# KiCad board panel-74pad-70pin-mezzanine.kicad_pcb (continued)
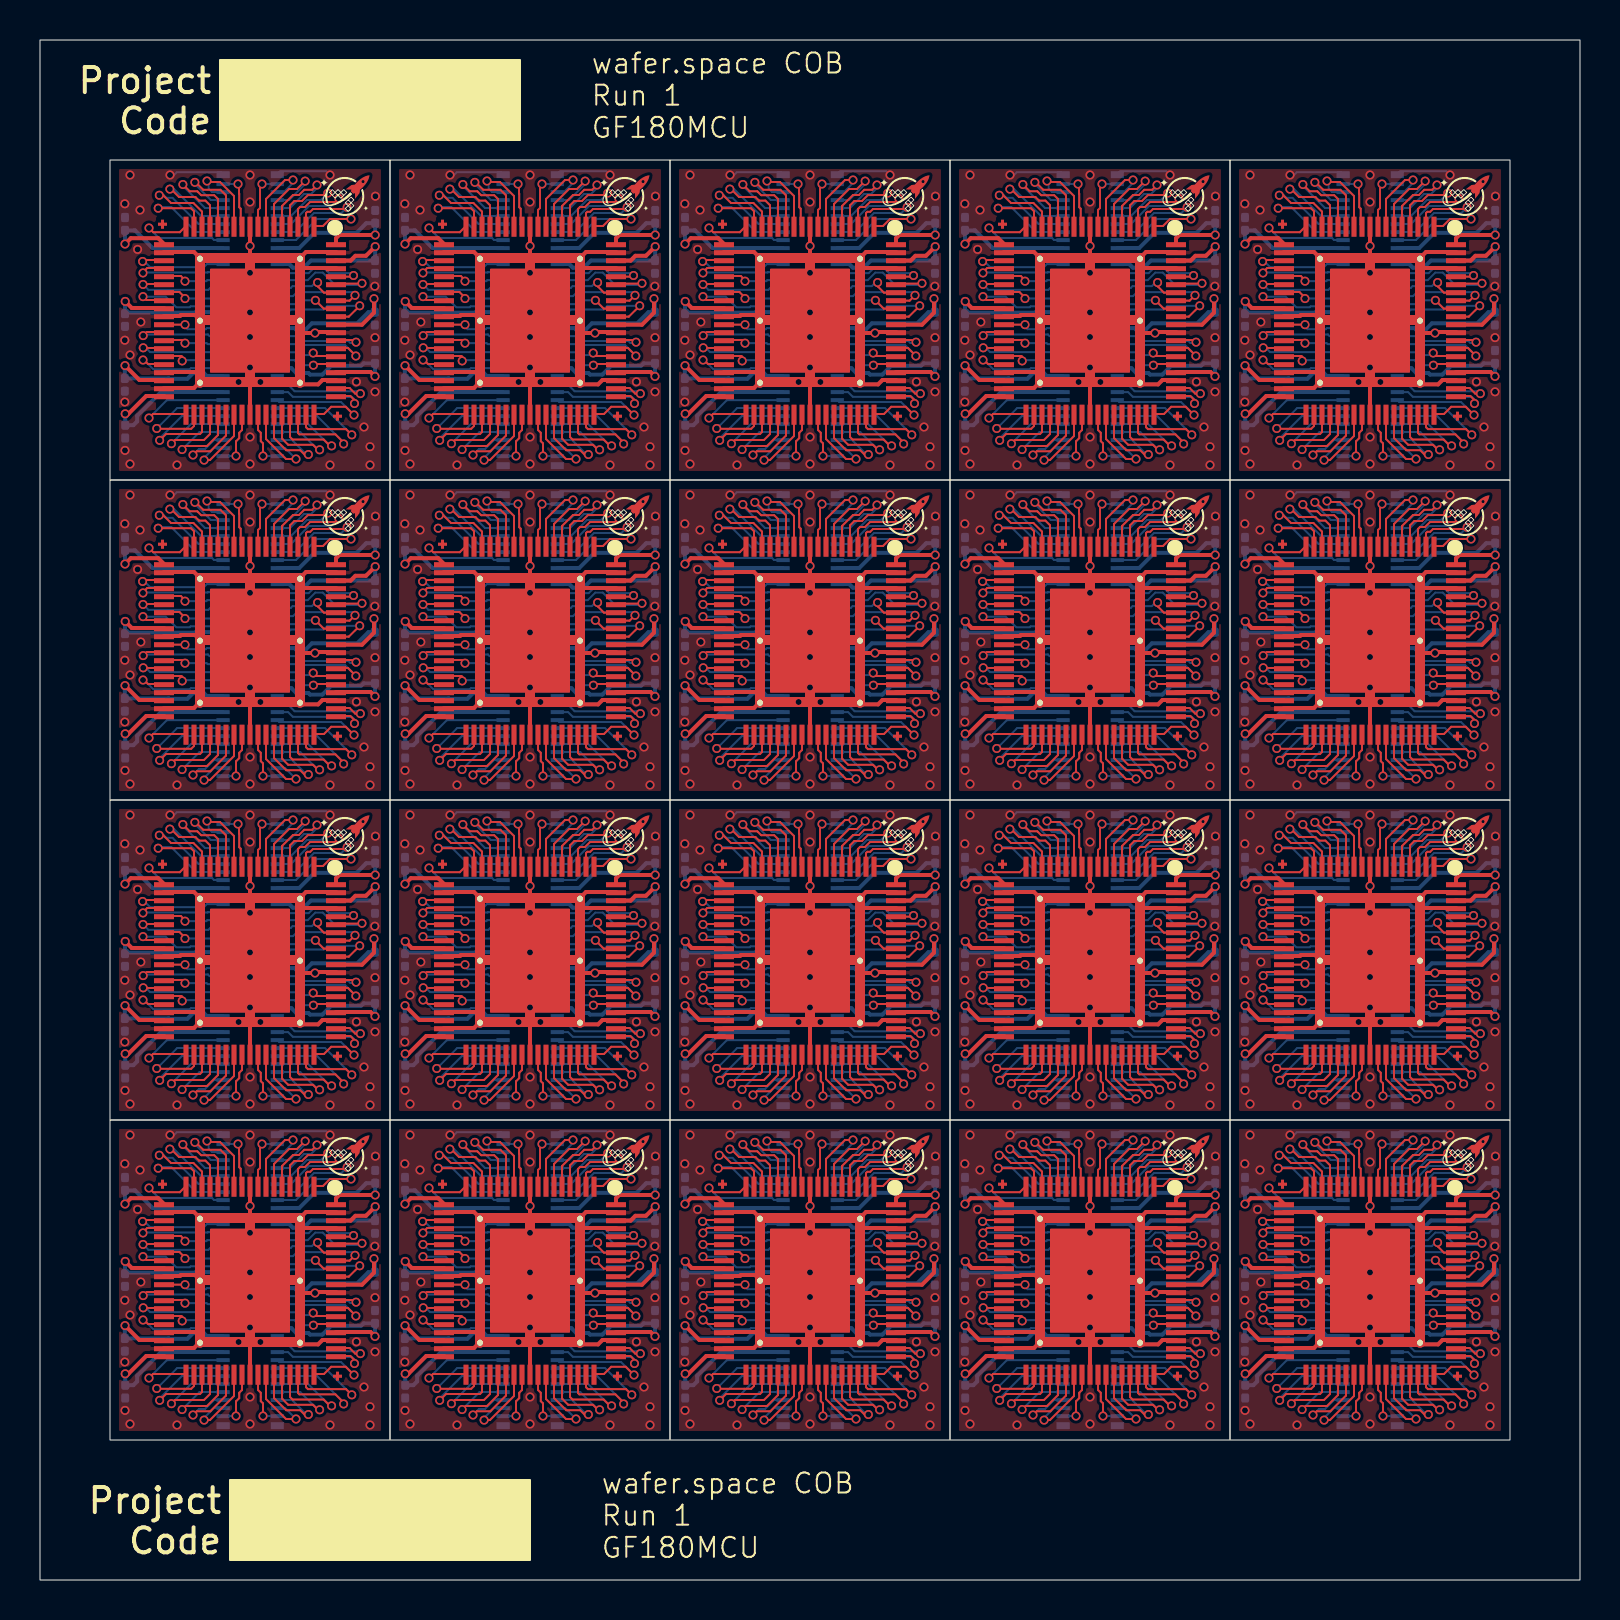
[diagram p0: board, top side]
## Routing (per net, layer and track width the routed paths; a pad name or vN(x,y) marks a point on that pad's centre or on a via; arc(x,y) is an arc through that point) (continued)
PWR_AUX_1: length 176.2
  Top w0.2: v1(16.7,64.06) 16.7,63.37 16.1,62.77 U102.64 ; v1(44.7,48.06) 44.7,47.36 44.1,46.77 U116.64 ; U138.64 58.1,14.77 58.7,15.36 v1(58.7,16.06) ; v1(58.7,48.06) 58.7,47.36 58.1,46.77 U118.64 ; U104.64 30.1,62.77 30.7,63.37 v1(30.7,64.06) ; U134.64 30.1,14.77 30.7,15.36 v1(30.7,16.06) ; v1(72.7,32.06) 72.7,31.36 72.1,30.77 U130.64 ; U106.64 44.1,62.77 44.7,63.37 v1(44.7,64.06) ; v1(44.7,32.06) 44.7,31.36 44.1,30.77 U126.64 ; v1(16.7,16.06) 16.7,15.36 16.1,14.77 U132.64 ; U124.64 30.1,30.77 30.7,31.36 v1(30.7,32.06) ; U140.64 72.1,14.77 72.7,15.36 v1(72.7,16.06) ; v1(72.7,64.06) 72.7,63.37 72.1,62.77 U110.64 ; U114.64 30.1,46.77 30.7,47.36 v1(30.7,48.06) ; v1(58.7,32.06) 58.7,31.36 58.1,30.77 U128.64 ; v1(58.7,64.06) 58.7,63.37 58.1,62.77 U108.64 ; U136.64 44.1,14.77 44.7,15.36 v1(44.7,16.06) ; U122.64 16.1,30.77 16.7,31.36 v1(16.7,32.06) ; U112.64 16.1,46.77 16.7,47.36 v1(16.7,48.06) ; U120.64 72.1,46.77 72.7,47.36 v1(72.7,48.06)
  Bottom w0.2: v1(30.7,32.06) 30.74,32.03 C194.1 30.42,31.39 29.86,30.83 27.6,30.83 27.28,30.51 26.81,30.51 26.73,30.59 U123.19 ; U103.19 26.73,62.59 26.81,62.51 27.28,62.51 27.6,62.83 29.86,62.83 30.42,63.39 C114.1 30.74,64.03 v1(30.7,64.06) ; U127.19 54.73,30.59 54.81,30.51 55.28,30.51 55.6,30.83 57.86,30.83 58.42,31.39 C210.1 58.74,32.03 v1(58.7,32.06) ; U137.19 54.73,14.59 54.81,14.51 55.28,14.51 55.6,14.83 57.86,14.83 58.42,15.39 C250.1 58.74,16.03 v1(58.7,16.06) ; v1(44.7,16.06) 44.74,16.03 C242.1 44.42,15.39 43.86,14.83 41.6,14.83 41.28,14.51 40.81,14.51 40.73,14.59 U135.19 ; v1(16.7,16.06) 16.74,16.03 C226.1 16.42,15.39 15.86,14.83 13.6,14.83 13.28,14.51 12.81,14.51 12.73,14.59 U131.19 ; U129.19 68.73,30.59 68.81,30.51 69.28,30.51 69.6,30.83 71.86,30.83 72.42,31.39 C218.1 72.74,32.03 v1(72.7,32.06) ; v1(58.7,64.06) 58.74,64.03 C130.1 58.42,63.39 57.86,62.83 55.6,62.83 55.28,62.51 54.81,62.51 54.73,62.59 U107.19 ; U115.19 40.73,46.59 40.81,46.51 41.28,46.51 41.6,46.83 43.86,46.83 44.42,47.39 C162.1 44.74,48.03 v1(44.7,48.06) ; U101.19 12.73,62.59 12.81,62.51 13.28,62.51 13.6,62.83 15.86,62.83 16.42,63.39 C106.1 16.74,64.03 v1(16.7,64.06) ; U105.19 40.73,62.59 40.81,62.51 41.28,62.51 41.6,62.83 43.86,62.83 44.42,63.39 C122.1 44.74,64.03 v1(44.7,64.06) ; U133.19 26.73,14.59 26.81,14.51 27.28,14.51 27.6,14.83 29.86,14.83 30.42,15.39 C234.1 30.74,16.03 v1(30.7,16.06) ; U117.19 54.73,46.59 54.81,46.51 55.28,46.51 55.6,46.83 57.86,46.83 58.42,47.39 C170.1 58.74,48.03 v1(58.7,48.06) ; v1(72.7,64.06) 72.74,64.03 C138.1 72.42,63.39 71.86,62.83 69.6,62.83 69.28,62.51 68.81,62.51 68.73,62.59 U109.19 ; U119.19 68.73,46.59 68.81,46.51 69.28,46.51 69.6,46.83 71.86,46.83 72.42,47.39 C178.1 72.74,48.03 v1(72.7,48.06) ; v1(44.7,32.06) 44.74,32.03 C202.1 44.42,31.39 43.86,30.83 41.6,30.83 41.28,30.51 40.81,30.51 40.73,30.59 U125.19 ; v1(72.7,16.06) 72.74,16.03 C258.1 72.42,15.39 71.86,14.83 69.6,14.83 69.28,14.51 68.81,14.51 68.73,14.59 U139.19 ; v1(16.7,32.06) 16.74,32.03 C186.1 16.42,31.39 15.86,30.83 13.6,30.83 13.28,30.51 12.81,30.51 12.73,30.59 U121.19 ; v1(30.7,48.06) 30.74,48.03 C154.1 30.42,47.39 29.86,46.83 27.6,46.83 27.28,46.51 26.81,46.51 26.73,46.59 U113.19 ; v1(16.7,48.06) 16.74,48.03 C146.1 16.42,47.39 15.86,46.83 13.6,46.83 13.28,46.51 12.81,46.51 12.73,46.59 U111.19

## Copper pours and planes (outline as drawn; the poured copper is in the pictures)
GND on Top, Bottom, In1.Cu, In2.Cu: 45.5,55 59.5,55 59.5,39 45.5,39
GND on Top, Bottom, In1.Cu, In2.Cu: 31.5,23 45.5,23 45.5,7 31.5,7
GND on Top, Bottom, In1.Cu, In2.Cu: 59.5,55 73.5,55 73.5,39 59.5,39
GND on Top, Bottom, In1.Cu, In2.Cu: 31.5,71 45.5,71 45.5,55 31.5,55
GND on Top, Bottom, In1.Cu, In2.Cu: 17.5,39 31.5,39 31.5,23 17.5,23
GND on Top, Bottom, In1.Cu, In2.Cu: 45.5,23 59.5,23 59.5,7 45.5,7
GND on Top, Bottom, In1.Cu, In2.Cu: 45.5,39 59.5,39 59.5,23 45.5,23
GND on Top, Bottom, In1.Cu, In2.Cu: 3.5,55 17.5,55 17.5,39 3.5,39
GND on Top, Bottom, In1.Cu, In2.Cu: 31.5,39 45.5,39 45.5,23 31.5,23
GND on Top, Bottom, In1.Cu, In2.Cu: 59.5,71 73.5,71 73.5,55 59.5,55
GND on Top, Bottom, In1.Cu, In2.Cu: 3.5,71 17.5,71 17.5,55 3.5,55
GND on Top, Bottom, In1.Cu, In2.Cu: 17.5,23 31.5,23 31.5,7 17.5,7
GND on Top, Bottom, In1.Cu, In2.Cu: 59.5,39 73.5,39 73.5,23 59.5,23
GND on Top, Bottom, In1.Cu, In2.Cu: 3.5,39 17.5,39 17.5,23 3.5,23
GND on Top, Bottom, In1.Cu, In2.Cu: 31.5,55 45.5,55 45.5,39 31.5,39
GND on Top, Bottom, In1.Cu, In2.Cu: 45.5,71 59.5,71 59.5,55 45.5,55
GND on Top, Bottom, In1.Cu, In2.Cu: 17.5,55 31.5,55 31.5,39 17.5,39
GND on Top, Bottom, In1.Cu, In2.Cu: 17.5,71 31.5,71 31.5,55 17.5,55
GND on Top, Bottom, In1.Cu, In2.Cu: 3.5,23 17.5,23 17.5,7 3.5,7
GND on Top, Bottom, In1.Cu, In2.Cu: 59.5,23 73.5,23 73.5,7 59.5,7

## Text on the board
B.Silkscreen: 70 PIN MEZZANINE / 74 PIN PADRING / VERSION: TT01 | wafer.space / GF180MCU Run 1
User.Eco2: Allocated Space / For Passives
F.Silkscreen: wafer.space COB / Run 1 / GF180MCU | Project / Code
User.1: V-CUT
